# Altium PCB UltraZOhm_CarrierBoard.PcbDoc (part 9 of 12) (continued)
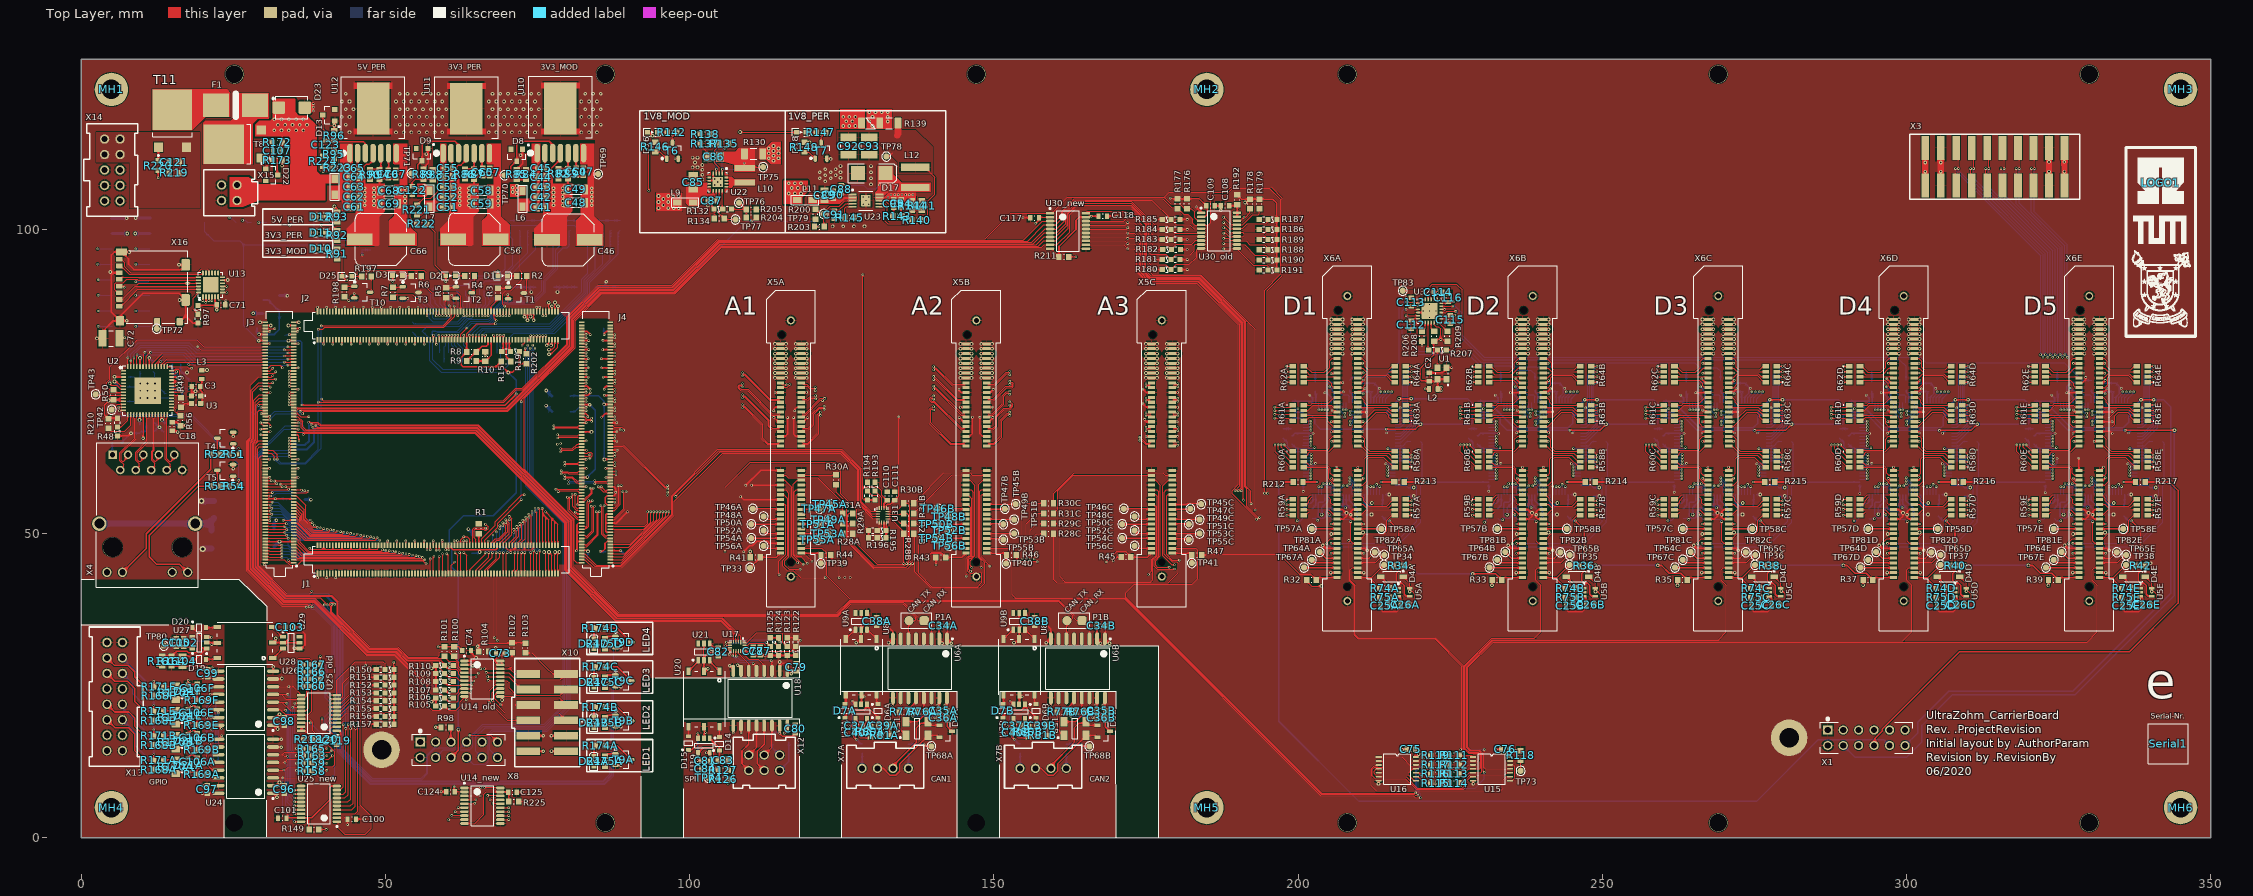
[diagram p0: Top Layer view]
## Nets (pads, with @x,y where several pads share a name; then routed paths per layer and width w, separated by ;. In a path a pad name is that pad's centre, name@x,y a point inside that pad or via, vN(x,y) a via of type N, cw(c..) or ccw(c..) an arc to the next point about the centre after c; other vN are vias at no path point) (continued)
  Top Layer w0.254: D7B.2@151.488,22 151.615,22.127 U8B.4@151.615,23.556
NetD8_3: D8.3 R84.2 R85.2 U10.3 | length 15.9
  Top Layer w0.254: R84.2@73.133,108.228 73.119,108.243 R85.2@71.601,108.243 71.472,108.243 70.635,109.08 70.635,110.38 71.464,111.209 D8.3@71.606,111.209 71.606,113.951 72.135,114.48 76.935,114.48 77.499,113.916 U10.3@77.499,112.549
NetD10_2: D10.2 R91.1 | length 2.6
  Top Layer w0.254: D10.2@40.208,96.83 41.859,95.18 R91.1@42.105,95.18
NetD11_2: D11.2 R92.1 | length 2.4
  Top Layer w0.254: D11.2@40.172,99.454 41.42,98.206 R92.1@42.099,98.206
NetD12_2: D12.2 R93.1 | length 2.2
  Top Layer w0.254: D12.2@40.208,102.063 41.017,101.254 R93.1@42.099,101.254
NetD14_2: D14.2 U20.6 | length 1.7
  Top Layer w0.254: D14.2@104.9,16.586 U20.6@104.9,18.269
NetD15_2: D15.2 U20.4 | length 1.6
  Top Layer w0.254: D15.2@99.82,16.713 U20.4@99.82,18.269
NetD16_1: D16.1 R142.1 | length 1.6
  Top Layer w0.2: D16.1@94.705,115.961 96.28,115.961 R142.1@96.305,115.936
NetD18_1: D18.1 R147.1 | length 1.7
  Top Layer w0.2: D18.1@119.139,115.961 120.765,115.961 R147.1@120.791,115.936
NetD19_2: D19.2 U28.6 | length 1.9
  Top Layer w0.254: D19.2@20.561,29.362 22.18,29.362 U28.6@22.369,29.551
NetD20_2: D20.2 U28.4 | length 1.8
  Top Layer w0.254: D20.2@20.561,34.553 22.291,34.553 U28.4@22.369,34.631
NetD24A_1: D24A.1 R174A.1 | length 1.8
  Top Layer w0.254: D24A.1@84.289,13.425 84.289,14.949 R174A.1@84.505,15.165
NetD24B_1: D24B.1 R174B.1 | length 1.8
  Top Layer w0.254: D24B.1@84.289,19.775 84.289,21.299 R174B.1@84.505,21.515
NetD24C_1: D24C.1 R174C.1 | length 1.8
  Top Layer w0.254: D24C.1@84.289,26.379 84.289,27.903 R174C.1@84.505,28.119
NetD24D_1: D24D.1 R174D.1 | length 1.8
  Top Layer w0.254: D24D.1@84.289,32.729 84.289,34.253 R174D.1@84.505,34.469
NetD25_1: D25.1 R197.2 | length 1.6
  Top Layer w0.2: D25.1@44.5,92.299 R197.2@46.1,92.299
NetF1_1: F1.1 T8.4
NetF1_2: F1.2 T11.4
NetJ1_108: J1.108 R1.1 | length 1.9
  Top Layer w0.254: R1.1@65.359,50.025 65.359,48.134 J1.108@65.372,48.121
NetJ4_88: J4.88 R26.1 | length 2.4
  Top Layer w0.254: J4.88@82.287,66.736 v4(83.886,66.736)
  Bottom Layer w0.254: R26.1@83.13,66.748 83.142,66.736 v4(83.886,66.736)
NetL5A_1: L5A.1 R77A.2 U6A.12 | length 8.5
  Top Layer w0.254: L5A.1@135.567,16.851 134.438,17.98 R77A.2@134.438,20.731 134.438,20.799 135.153,21.514 136.347,21.514 137.219,22.386 U6A.12@137.219,23.02
NetL5A_4: L5A.4 R76A.1 U6A.13 | length 6.7
  Top Layer w0.254: L5A.4@135.567,19.102 137.457,19.102 R76A.1@139.086,20.731 138.489,21.328 U6A.13@138.489,23.02
NetL5B_1: L5B.1 R77B.2 U6B.12 | length 8.5
  Top Layer w0.254: L5B.1@161.519,16.851 160.39,17.98 R77B.2@160.39,20.731 160.39,20.799 161.106,21.514 162.299,21.514 163.172,22.386 U6B.12@163.172,23.02
NetL5B_4: L5B.4 R76B.1 U6B.13 | length 6.7
  Top Layer w0.254: L5B.4@161.519,19.102 163.409,19.102 R76B.1@165.038,20.731 164.442,21.328 U6B.13@164.442,23.02
NetL10_1: L10.1 U22.13 U22.14 U22.15 U22.16 | length 3.2
  Top Layer w0.254: U22.13@106.023,107.032 106.732,107.032 106.8,107.1 ; U22.14@106.023,107.532 106.732,107.532 106.8,107.6 ; U22.15@106.023,108.032 106.768,108.032 106.8,108 ; U22.16@106.023,108.532 106.768,108.532 106.8,108.5
NetR2_2: R2.2 T1.3 | length 3
  Top Layer w0.2: T1.3@72.775,89.55 73.218,89.992 R2.2@73.218,92.367
NetR3_2: R3.2 T1.1 | length 1.7
  Top Layer w0.2: R3.2@68.533,90.369 70.044,90.369 T1.1@70.175,90.5
NetR4_2: R4.2 T2.3 | length 3
  Top Layer w0.2: T2.3@64.206,89.614 64.654,90.062 R4.2@64.654,92.38
NetR5_2: R5.2 T2.1 | length 1.7
  Top Layer w0.2: R5.2@60.02,90.384 61.427,90.384 T2.1@61.606,90.564
NetR6_2: R6.2 T3.3 | length 2.9
  Top Layer w0.2: T3.3@55.456,89.642 55.876,90.062 R6.2@55.876,92.376
NetR7_2: R7.2 T3.1 | length 1.7
  Top Layer w0.2: R7.2@51.254,90.466 52.73,90.466 T3.1@52.856,90.592
NetR28A_1: R28A.1 X5A.54 | length 26
  Top Layer w0.1: X5A.54@118.34,57.2 117.525,57.2 117.22,56.895 117.22,46.575 117.618,46.177 118.313,46.177 v1(119.329,45.161) ; v1(125.12,44.729) 125.12,49.92 R28A.1@125.2,50
  L03_Sig w0.1: v1(119.329,45.161) 120.298,44.193 124.609,44.193 125.12,44.704 v1(125.12,44.729)
NetR28B_1: R28B.1 X5B.54 | length 36
  Top Layer w0.1: R28B.1@136.8,50 137,49.8 137,43.75 139.627,41.123 147.803,41.123 148.539,41.859 148.539,45.274 147.7,46.113 147.7,57 147.9,57.2 X5B.54@148.82,57.2
NetR28C_1: R28C.1 X5C.54 | length 45.1
  Top Layer w0.1: R28C.1@159.8,50 159.8,42.435 160.299,41.935 178.638,41.935 180.315,43.612 180.315,45.11 180.061,45.364 179.299,45.364 178.003,46.66 178.003,56.845 178.359,57.201 X5C.54@179.299,57.201 ; R28C.1@160.2,50.45 160.25,50.45
NetR29A_2: R29A.2 X5A.55 | length 32.4
  Top Layer w0.1: X5A.55@114.94,56.4 115.482,56.4 116.103,55.778 116.103,46.457 115.316,45.669 115.316,44.679 116.053,43.942 117.043,43.942 118.237,42.748 v1(122.276,42.748) ; v1@124.6,42.748 124.6,51.575 124.659,51.634 125.167,51.634 R29A.2@125.2,51.667
  L03_Sig w0.1: v1(122.276,42.748) v1(124.587,42.748)
NetR29B_2: R29B.2 X5B.55 | length 38.5
  Top Layer w0.1: R29B.2@136.8,51.667 137.309,51.667 137.668,51.308 137.668,43.474 139.819,41.323 147.323,41.323 148,42 148,43.5 147.75,43.75 146.789,43.75 146.504,43.465 146.032,43.465 145.672,43.825 145.672,45.904 145.968,46.2 146.165,46.2 146.37,46.405 146.37,55.779 145.97,56.179 145.97,56.2 145.77,56.4 X5B.55@145.42,56.4 ; R29B.2@137.2,52.117 137.25,52.117 ; X5B.55@145.22,56.4 145.22,56.483 145.337,56.6 X5B.55@145.42,56.6
NetR29C_2: R29C.2 X5C.55 | length 40.4
  Top Layer w0.1: R29C.2@159.8,51.667 160.55,51.667 160.884,51.333 160.884,42.926 161.674,42.135 175.81,42.135 176.127,42.452 176.127,45.682 176.863,46.418 176.863,56.134 176.597,56.4 X5C.55@175.9,56.4 ; R29C.2@160.2,52.117 160.25,52.117
NetR30A_1: R30A.1 X5A.48 | length 5.8
  Top Layer w0.1: X5A.48@118.34,59.6 124.027,59.6 R30A.1@124.079,59.652
NetR30B_1: R30B.1 X5B.48 | length 14.3
  Top Layer w0.1: R30B.1@136.8,55 136.8,55.05 137.2,55.45 137.25,55.45 141.8,60 146.082,60 146.482,59.6 X5B.48@148.82,59.6
NetR30C_1: R30C.1 X5C.48 | length 22.7
  Top Layer w0.1: R30C.1@159.8,55 159.8,56.625 163.175,60 177.744,60 178.144,59.6 X5C.48@179.3,59.6
NetR31A_2: R31A.2 X5A.47 | length 13.9
  Top Layer w0.1: X5A.47@114.94,59.6 114.965,59.575 115.825,59.575 116.2,59.2 121.089,59.2 125.2,55.089 R31A.2@125.2,53.333
NetR31B_2: R31B.2 X5B.47 | length 11.3
  Top Layer w0.1: R31B.2@136.8,53.333 136.8,53.383 137.2,53.783 137.25,53.783 143.162,59.695 145.325,59.695 X5B.47@145.42,59.6
NetR31C_2: R31C.2 X5C.47 | length 20.5
  Top Layer w0.1: R31C.2@159.8,53.333 159.8,53.383 160.2,53.783 160.25,53.783 160.477,54.011 160.477,57.02 163.058,59.6 X5C.47@175.9,59.6
NetR48_2: R48.2 U2.15 | length 3.1
  Top Layer w0.15: R48.2@6.001,67.525 6.553,67.525 7.685,68.658 U2.15@7.685,69.565
NetR49_2: R49.2 U3.3 | length 1.9
  Top Layer w0.254: R49.2@16.422,70.759 17.022,71.359 17.935,71.359 U3.3@18.037,71.256
NetR51_2: R51.2 T4.1 | length 2
  Top Layer w0.254: R51.2@24.358,63.044 25.01,63.696 T4.1@25.01,64.761
NetR52_1: R52.1 T4.3 | length 2.9
  Top Layer w0.254: T4.3@22.41,65.711 22.41,63.544 R52.1@22.91,63.044
NetR52_2: R52.2 X4.12 | length 25.4
  Top Layer w0.254: X4.12@6.796,43.657 10.7,47.561 10.7,50 21.31,60.61 R52.2@21.31,63.044
NetR53_1: R53.1 T5.3 | length 2.8
  Top Layer w0.254: T5.3@22.386,60.411 22.386,58.371 R53.1@22.937,57.82
NetR53_2: R53.2 X4.14 | length 24.4
  Top Layer w0.254: X4.14@17.526,43.657 16.182,45 12.4,45 11.2,46.2 11.2,49.7 19.32,57.82 R53.2@21.337,57.82
NetR54_2: R54.2 T5.1 | length 1.9
  Top Layer w0.254: R54.2@24.36,57.82 24.986,58.447 T5.1@24.986,59.461
NetR56_1: R56.1 U2.30 | length 2.3
  Top Layer w0.15: U2.30@14.875,70.755 15.245,70.755 15.52,70.48 15.52,70.08 15.669,69.931 16.226,69.374 R56.1@16.344,69.374
NetR57A_1: R57A.1 U4A.69 | length 14.7
  Top Layer w0.1: R57A.1@217.7,53.048 217.748,53 v2(218.7,53)
  L03_Sig w0.1: v1(214.7,61) 213.9,60.2 213.9,59.2 214.55,58.55 216.45,58.55 216.75,58.25 216.75,53.25 217,53 v2(218.7,53)
  Bottom Layer w0.1: v1(214.7,61) 215.944,61 U4A.69@215.957,60.988
NetR57A_2: R57A.2 U4A.70 | length 13.2
  Top Layer w0.1: R57A.2@217.7,53.948 217.748,53.9 v2(218.7,53.9)
  L03_Sig w0.1: v1(214.7,60.5) 214.6,60.5 214.1,60 214.1,59.3 214.55,58.85 216.8,58.85 217.1,58.55 217.1,54.15 217.35,53.9 v2(218.7,53.9)
  Bottom Layer w0.1: v1(214.7,60.5) 215.944,60.5 U4A.70@215.957,60.488
NetR57A_3: R57A.3 U4A.71 | length 11.8
  Top Layer w0.1: R57A.3@217.7,54.748 217.702,54.75 v2(218.7,54.75)
  L03_Sig w0.1: v1(214.7,60) 214.4,60 214.3,59.9 214.3,59.4 214.55,59.15 217.15,59.15 217.45,58.85 217.45,54.95 217.65,54.75 v2(218.7,54.75)
  Bottom Layer w0.1: v1(214.7,60) 215.944,60 U4A.71@215.957,59.988
NetR57A_4: R57A.4 U4A.72 | length 9.9
  Top Layer w0.1: R57A.4@217.7,55.648 217.948,55.4 v2(218.7,55.4)
  L03_Sig w0.1: v1(214.7,59.5) 217.2,59.5 217.75,58.95 217.75,55.75 218.1,55.4 v2(218.7,55.4)
  Bottom Layer w0.1: v1(214.7,59.5) 215.944,59.5 U4A.72@215.957,59.488
NetR57B_1: R57B.1 U4B.69 | length 14.7
  Top Layer w0.1: R57B.1@248.18,53.048 248.228,53 v2(249.18,53)
  L03_Sig w0.1: v1(245.18,61) 244.38,60.2 244.38,59.2 245.03,58.55 246.93,58.55 247.23,58.25 247.23,53.25 247.48,53 v2(249.18,53)
  Bottom Layer w0.1: v1(245.18,61) 246.424,61 U4B.69@246.437,60.988
NetR57B_2: R57B.2 U4B.70 | length 13.2
  Top Layer w0.1: R57B.2@248.18,53.948 248.228,53.9 v2(249.18,53.9)
  L03_Sig w0.1: v1(245.18,60.5) 245.08,60.5 244.58,60 244.58,59.3 245.03,58.85 247.28,58.85 247.58,58.55 247.58,54.15 247.83,53.9 v2(249.18,53.9)
  Bottom Layer w0.1: v1(245.18,60.5) 246.424,60.5 U4B.70@246.437,60.488
NetR57B_3: R57B.3 U4B.71 | length 11.8
  Top Layer w0.1: R57B.3@248.18,54.748 248.182,54.75 v2(249.18,54.75)
  L03_Sig w0.1: v1(245.18,60) 244.88,60 244.78,59.9 244.78,59.4 245.03,59.15 247.63,59.15 247.93,58.85 247.93,54.95 248.13,54.75 v2(249.18,54.75)
  Bottom Layer w0.1: v1(245.18,60) 246.424,60 U4B.71@246.437,59.988
NetR57B_4: R57B.4 U4B.72 | length 9.9
  Top Layer w0.1: R57B.4@248.18,55.648 248.428,55.4 v2(249.18,55.4)
  L03_Sig w0.1: v1(245.18,59.5) 247.68,59.5 248.23,58.95 248.23,55.75 248.58,55.4 v2(249.18,55.4)
  Bottom Layer w0.1: v1(245.18,59.5) 246.424,59.5 U4B.72@246.437,59.488
NetR57C_1: R57C.1 U4C.69 | length 14.7
  Top Layer w0.1: R57C.1@278.66,53.048 278.708,53 v2(279.66,53)
  L03_Sig w0.1: v1(275.66,61) 274.86,60.2 274.86,59.2 275.51,58.55 277.41,58.55 277.71,58.25 277.71,53.25 277.96,53 v2(279.66,53)
  Bottom Layer w0.1: v1(275.66,61) 276.904,61 U4C.69@276.917,60.988
NetR57C_2: R57C.2 U4C.70 | length 13.2
  Top Layer w0.1: R57C.2@278.66,53.948 278.708,53.9 v2(279.66,53.9)
  L03_Sig w0.1: v1(275.66,60.5) 275.56,60.5 275.06,60 275.06,59.3 275.51,58.85 277.76,58.85 278.06,58.55 278.06,54.15 278.31,53.9 v2(279.66,53.9)
  Bottom Layer w0.1: v1(275.66,60.5) 276.904,60.5 U4C.70@276.917,60.488
NetR57C_3: R57C.3 U4C.71 | length 11.8
  Top Layer w0.1: R57C.3@278.66,54.748 278.662,54.75 v2(279.66,54.75)
  L03_Sig w0.1: v1(275.66,60) 275.36,60 275.26,59.9 275.26,59.4 275.51,59.15 278.11,59.15 278.41,58.85 278.41,54.95 278.61,54.75 v2(279.66,54.75)
  Bottom Layer w0.1: v1(275.66,60) 276.904,60 U4C.71@276.917,59.988
NetR57C_4: R57C.4 U4C.72 | length 9.9
  Top Layer w0.1: R57C.4@278.66,55.648 278.908,55.4 v2(279.66,55.4)
  L03_Sig w0.1: v1(275.66,59.5) 278.16,59.5 278.71,58.95 278.71,55.75 279.06,55.4 v2(279.66,55.4)
  Bottom Layer w0.1: v1(275.66,59.5) 276.904,59.5 U4C.72@276.917,59.488
NetR57D_1: R57D.1 U4D.69 | length 14.7
  Top Layer w0.1: R57D.1@309.14,53.048 309.188,53 v2(310.14,53)
  L03_Sig w0.1: v1(306.14,61) 305.34,60.2 305.34,59.2 305.99,58.55 307.89,58.55 308.19,58.25 308.19,53.25 308.44,53 v2(310.14,53)
  Bottom Layer w0.1: v1(306.14,61) 307.384,61 U4D.69@307.397,60.988
NetR57D_2: R57D.2 U4D.70 | length 13.2
  Top Layer w0.1: R57D.2@309.14,53.948 309.188,53.9 v2(310.14,53.9)
  L03_Sig w0.1: v1(306.14,60.5) 306.04,60.5 305.54,60 305.54,59.3 305.99,58.85 308.24,58.85 308.54,58.55 308.54,54.15 308.79,53.9 v2(310.14,53.9)
  Bottom Layer w0.1: v1(306.14,60.5) 307.384,60.5 U4D.70@307.397,60.488
NetR57D_3: R57D.3 U4D.71 | length 11.8
  Top Layer w0.1: R57D.3@309.14,54.748 309.142,54.75 v2(310.14,54.75)
  L03_Sig w0.1: v1(306.14,60) 305.84,60 305.74,59.9 305.74,59.4 305.99,59.15 308.59,59.15 308.89,58.85 308.89,54.95 309.09,54.75 v2(310.14,54.75)
  Bottom Layer w0.1: v1(306.14,60) 307.384,60 U4D.71@307.397,59.988
NetR57D_4: R57D.4 U4D.72 | length 9.9
  Top Layer w0.1: R57D.4@309.14,55.648 309.388,55.4 v2(310.14,55.4)
  L03_Sig w0.1: v1(306.14,59.5) 308.64,59.5 309.19,58.95 309.19,55.75 309.54,55.4 v2(310.14,55.4)
  Bottom Layer w0.1: v1(306.14,59.5) 307.384,59.5 U4D.72@307.397,59.488
NetR57E_1: R57E.1 U4E.69 | length 14.7
  Top Layer w0.1: R57E.1@339.62,53.048 339.668,53 v2(340.62,53)
  L03_Sig w0.1: v1(336.62,61) 335.82,60.2 335.82,59.2 336.47,58.55 338.37,58.55 338.67,58.25 338.67,53.25 338.92,53 v2(340.62,53)
  Bottom Layer w0.1: v1(336.62,61) 337.864,61 U4E.69@337.877,60.988
NetR57E_2: R57E.2 U4E.70 | length 13.2
  Top Layer w0.1: R57E.2@339.62,53.948 339.668,53.9 v2(340.62,53.9)
  L03_Sig w0.1: v1(336.62,60.5) 336.52,60.5 336.02,60 336.02,59.3 336.47,58.85 338.72,58.85 339.02,58.55 339.02,54.15 339.27,53.9 v2(340.62,53.9)
  Bottom Layer w0.1: v1(336.62,60.5) 337.864,60.5 U4E.70@337.877,60.488
NetR57E_3: R57E.3 U4E.71 | length 11.8
  Top Layer w0.1: R57E.3@339.62,54.748 339.622,54.75 v2(340.62,54.75)
  L03_Sig w0.1: v1(336.62,60) 336.32,60 336.22,59.9 336.22,59.4 336.47,59.15 339.07,59.15 339.37,58.85 339.37,54.95 339.57,54.75 v2(340.62,54.75)
  Bottom Layer w0.1: v1(336.62,60) 337.864,60 U4E.71@337.877,59.988
NetR57E_4: R57E.4 U4E.72 | length 9.9
  Top Layer w0.1: R57E.4@339.62,55.648 339.868,55.4 v2(340.62,55.4)
  L03_Sig w0.1: v1(336.62,59.5) 339.12,59.5 339.67,58.95 339.67,55.75 340.02,55.4 v2(340.62,55.4)
  Bottom Layer w0.1: v1(336.62,59.5) 337.864,59.5 U4E.72@337.877,59.488
NetR58A_1: R58A.1 U4A.67 | length 4.2
  Top Layer w0.1: R58A.1@217.7,60.922 217.778,61 v2(218.65,61)
  Bottom Layer w0.1: U4A.67@215.957,61.988 217.812,61.988 218.65,61.15 v2(218.65,61)
NetR58A_2: R58A.2 U4A.66 | length 4
  Top Layer w0.1: R58A.2@217.7,61.822 217.722,61.8 v2(218.7,61.8)
  Bottom Layer w0.1: U4A.66@215.957,62.488 216.962,62.488 217.2,62.25 218.2,62.25 218.65,61.8 v2(218.7,61.8)
NetR58A_3: R58A.3 U4A.65 | length 4.3
  Top Layer w0.1: R58A.3@217.822,62.5 R58A.3@217.7,62.622 218.478,62.622 v2(218.7,62.4)
  Bottom Layer w0.1: U4A.65@215.957,62.988 216.912,62.988 217.4,62.5 218.6,62.5 v2(218.7,62.4)
NetR58A_4: R58A.4 U4A.64 | length 4.3
  Top Layer w0.1: R58A.4@217.7,63.522 218.078,63.522 v2(218.7,62.9)
  Bottom Layer w0.1: U4A.64@215.957,63.488 216.912,63.488 217.6,62.8 218.6,62.8 v2(218.7,62.9)
NetR58B_1: R58B.1 U4B.67 | length 4.2
  Top Layer w0.1: R58B.1@248.18,60.922 248.258,61 v2(249.13,61)
  Bottom Layer w0.1: U4B.67@246.437,61.988 248.292,61.988 249.13,61.15 v2(249.13,61)
NetR58B_2: R58B.2 U4B.66 | length 4
  Top Layer w0.1: R58B.2@248.18,61.822 248.202,61.8 v2(249.18,61.8)
  Bottom Layer w0.1: U4B.66@246.437,62.488 247.442,62.488 247.68,62.25 248.68,62.25 249.13,61.8 v2(249.18,61.8)
NetR58B_3: R58B.3 U4B.65 | length 4.3
  Top Layer w0.1: R58B.3@248.302,62.5 R58B.3@248.18,62.622 248.958,62.622 v2(249.18,62.4)
  Bottom Layer w0.1: U4B.65@246.437,62.988 247.392,62.988 247.88,62.5 249.08,62.5 v2(249.18,62.4)
NetR58B_4: R58B.4 U4B.64 | length 4.3
  Top Layer w0.1: R58B.4@248.18,63.522 248.558,63.522 v2(249.18,62.9)
  Bottom Layer w0.1: U4B.64@246.437,63.488 247.392,63.488 248.08,62.8 249.08,62.8 v2(249.18,62.9)
NetR58C_1: R58C.1 U4C.67 | length 4.2
  Top Layer w0.1: R58C.1@278.66,60.922 278.738,61 v2(279.61,61)
  Bottom Layer w0.1: U4C.67@276.917,61.988 278.772,61.988 279.61,61.15 v2(279.61,61)
NetR58C_2: R58C.2 U4C.66 | length 4
  Top Layer w0.1: R58C.2@278.66,61.822 278.682,61.8 v2(279.66,61.8)
  Bottom Layer w0.1: U4C.66@276.917,62.488 277.922,62.488 278.16,62.25 279.16,62.25 279.61,61.8 v2(279.66,61.8)
NetR58C_3: R58C.3 U4C.65 | length 4.3
  Top Layer w0.1: R58C.3@278.782,62.5 R58C.3@278.66,62.622 279.438,62.622 v2(279.66,62.4)
  Bottom Layer w0.1: U4C.65@276.917,62.988 277.872,62.988 278.36,62.5 279.56,62.5 v2(279.66,62.4)
NetR58C_4: R58C.4 U4C.64 | length 4.3
  Top Layer w0.1: R58C.4@278.66,63.522 279.038,63.522 v2(279.66,62.9)
  Bottom Layer w0.1: U4C.64@276.917,63.488 277.872,63.488 278.56,62.8 279.56,62.8 v2(279.66,62.9)
NetR58D_1: R58D.1 U4D.67 | length 4.2
  Top Layer w0.1: R58D.1@309.14,60.922 309.218,61 v2(310.09,61)
  Bottom Layer w0.1: U4D.67@307.397,61.988 309.252,61.988 310.09,61.15 v2(310.09,61)
NetR58D_2: R58D.2 U4D.66 | length 4
  Top Layer w0.1: R58D.2@309.14,61.822 309.162,61.8 v2(310.14,61.8)
  Bottom Layer w0.1: U4D.66@307.397,62.488 308.402,62.488 308.64,62.25 309.64,62.25 310.09,61.8 v2(310.14,61.8)
NetR58D_3: R58D.3 U4D.65 | length 4.3
  Top Layer w0.1: R58D.3@309.262,62.5 R58D.3@309.14,62.622 309.918,62.622 v2(310.14,62.4)
  Bottom Layer w0.1: U4D.65@307.397,62.988 308.352,62.988 308.84,62.5 310.04,62.5 v2(310.14,62.4)
NetR58D_4: R58D.4 U4D.64 | length 4.3
  Top Layer w0.1: R58D.4@309.14,63.522 309.518,63.522 v2(310.14,62.9)
  Bottom Layer w0.1: U4D.64@307.397,63.488 308.352,63.488 309.04,62.8 310.04,62.8 v2(310.14,62.9)
NetR58E_1: R58E.1 U4E.67 | length 4.2
  Top Layer w0.1: R58E.1@339.62,60.922 339.698,61 v2(340.57,61)
  Bottom Layer w0.1: U4E.67@337.877,61.988 339.732,61.988 340.57,61.15 v2(340.57,61)
NetR58E_2: R58E.2 U4E.66 | length 4
  Top Layer w0.1: R58E.2@339.62,61.822 339.642,61.8 v2(340.62,61.8)
  Bottom Layer w0.1: U4E.66@337.877,62.488 338.882,62.488 339.12,62.25 340.12,62.25 340.57,61.8 v2(340.62,61.8)
NetR58E_3: R58E.3 U4E.65 | length 4.3
  Top Layer w0.1: R58E.3@339.742,62.5 R58E.3@339.62,62.622 340.398,62.622 v2(340.62,62.4)
  Bottom Layer w0.1: U4E.65@337.877,62.988 338.832,62.988 339.32,62.5 340.52,62.5 v2(340.62,62.4)
NetR58E_4: R58E.4 U4E.64 | length 4.3
  Top Layer w0.1: R58E.4@339.62,63.522 339.998,63.522 v2(340.62,62.9)
  Bottom Layer w0.1: U4E.64@337.877,63.488 338.832,63.488 339.52,62.8 340.52,62.8 v2(340.62,62.9)
NetR59A_1: R59A.1 U4A.81 | length 17.6
  Top Layer w0.1: v2(197.9,55.35) 198.198,55.648 R59A.1@199.1,55.648
  L03_Sig w0.1: v2(197.9,55.35) 198.55,56 210.15,56 v1(211.9,57.75)
  Bottom Layer w0.1: v1(211.9,57.75) 211.907,57.743 U4A.81@211.907,56.438
NetR59A_2: R59A.2 U4A.80 | length 17.8
  Top Layer w0.1: v2(198.15,54.75) 199.098,54.75 R59A.2@199.1,54.748
  L03_Sig w0.1: v2(198.15,54.75) 199.15,55.75 210.45,55.75 v1(212.45,57.75)
  Bottom Layer w0.1: U4A.80@212.407,56.438 212.407,57.707 v1(212.45,57.75)
NetR59A_3: R59A.3 U4A.79 | length 19.3
  Top Layer w0.1: v2(198.15,54) 199.048,54 R59A.3@199.1,53.948
  L03_Sig w0.1: v2(198.15,54) 199.6,55.45 210.7,55.45 212.9,57.65 v1(212.9,58.1)
  Bottom Layer w0.1: v1(212.9,58.1) 212.907,58.093 U4A.79@212.907,56.438
NetR59A_4: R59A.4 U4A.78 | length 19.6
  Top Layer w0.1: v2(198.15,53.05) 199.098,53.05 R59A.4@199.1,53.048
  L03_Sig w0.1: v2(198.15,53.05) 200.25,55.15 211,55.15 213.4,57.55 v1(213.4,57.75)
  Bottom Layer w0.1: v1(213.4,57.75) 213.407,57.743 U4A.78@213.407,56.438
NetR59B_1: R59B.1 U4B.81 | length 17.6
  Top Layer w0.1: v2(228.38,55.35) 228.678,55.648 R59B.1@229.58,55.648
  L03_Sig w0.1: v2(228.38,55.35) 229.03,56 240.63,56 v1(242.38,57.75)
  Bottom Layer w0.1: v1(242.38,57.75) 242.387,57.743 U4B.81@242.387,56.438
NetR59B_2: R59B.2 U4B.80 | length 17.8
  Top Layer w0.1: v2(228.63,54.75) 229.578,54.75 R59B.2@229.58,54.748
  L03_Sig w0.1: v2(228.63,54.75) 229.63,55.75 240.93,55.75 v1(242.93,57.75)
  Bottom Layer w0.1: U4B.80@242.887,56.438 242.887,57.707 v1(242.93,57.75)
NetR59B_3: R59B.3 U4B.79 | length 19.3
  Top Layer w0.1: v2(228.63,54) 229.528,54 R59B.3@229.58,53.948
  L03_Sig w0.1: v2(228.63,54) 230.08,55.45 241.18,55.45 243.38,57.65 v1(243.38,58.1)
  Bottom Layer w0.1: v1(243.38,58.1) 243.387,58.093 U4B.79@243.387,56.438
NetR59B_4: R59B.4 U4B.78 | length 19.6
  Top Layer w0.1: v2(228.63,53.05) 229.578,53.05 R59B.4@229.58,53.048
  L03_Sig w0.1: v2(228.63,53.05) 230.73,55.15 241.48,55.15 243.88,57.55 v1(243.88,57.75)
  Bottom Layer w0.1: v1(243.88,57.75) 243.887,57.743 U4B.78@243.887,56.438
NetR59C_1: R59C.1 U4C.81 | length 17.6
  Top Layer w0.1: v2(258.86,55.35) 259.158,55.648 R59C.1@260.06,55.648
  L03_Sig w0.1: v2(258.86,55.35) 259.51,56 271.11,56 v1(272.86,57.75)
  Bottom Layer w0.1: v1(272.86,57.75) 272.867,57.743 U4C.81@272.867,56.438
NetR59C_2: R59C.2 U4C.80 | length 17.8
  Top Layer w0.1: v2(259.11,54.75) 260.058,54.75 R59C.2@260.06,54.748
  L03_Sig w0.1: v2(259.11,54.75) 260.11,55.75 271.41,55.75 v1(273.41,57.75)
  Bottom Layer w0.1: U4C.80@273.367,56.438 273.367,57.707 v1(273.41,57.75)
NetR59C_3: R59C.3 U4C.79 | length 19.3
  Top Layer w0.1: v2(259.11,54) 260.008,54 R59C.3@260.06,53.948
  L03_Sig w0.1: v2(259.11,54) 260.56,55.45 271.66,55.45 273.86,57.65 v1(273.86,58.1)
  Bottom Layer w0.1: v1(273.86,58.1) 273.867,58.093 U4C.79@273.867,56.438
NetR59C_4: R59C.4 U4C.78 | length 19.6
  Top Layer w0.1: v2(259.11,53.05) 260.058,53.05 R59C.4@260.06,53.048
  L03_Sig w0.1: v2(259.11,53.05) 261.21,55.15 271.96,55.15 274.36,57.55 v1(274.36,57.75)
  Bottom Layer w0.1: v1(274.36,57.75) 274.367,57.743 U4C.78@274.367,56.438
NetR59D_1: R59D.1 U4D.81 | length 17.6
  Top Layer w0.1: v2(289.34,55.35) 289.638,55.648 R59D.1@290.54,55.648
  L03_Sig w0.1: v2(289.34,55.35) 289.99,56 301.59,56 v1(303.34,57.75)
  Bottom Layer w0.1: v1(303.34,57.75) 303.347,57.743 U4D.81@303.347,56.438
NetR59D_2: R59D.2 U4D.80 | length 17.8
  Top Layer w0.1: v2(289.59,54.75) 290.538,54.75 R59D.2@290.54,54.748
  L03_Sig w0.1: v2(289.59,54.75) 290.59,55.75 301.89,55.75 v1(303.89,57.75)
  Bottom Layer w0.1: U4D.80@303.847,56.438 303.847,57.707 v1(303.89,57.75)
NetR59D_3: R59D.3 U4D.79 | length 19.3
  Top Layer w0.1: v2(289.59,54) 290.488,54 R59D.3@290.54,53.948
  L03_Sig w0.1: v2(289.59,54) 291.04,55.45 302.14,55.45 304.34,57.65 v1(304.34,58.1)
  Bottom Layer w0.1: v1(304.34,58.1) 304.347,58.093 U4D.79@304.347,56.438
NetR59D_4: R59D.4 U4D.78 | length 19.6
  Top Layer w0.1: v2(289.59,53.05) 290.538,53.05 R59D.4@290.54,53.048
  L03_Sig w0.1: v2(289.59,53.05) 291.69,55.15 302.44,55.15 304.84,57.55 v1(304.84,57.75)
  Bottom Layer w0.1: v1(304.84,57.75) 304.847,57.743 U4D.78@304.847,56.438
NetR59E_1: R59E.1 U4E.81 | length 17.6
  Top Layer w0.1: v2(319.82,55.35) 320.118,55.648 R59E.1@321.02,55.648
  L03_Sig w0.1: v2(319.82,55.35) 320.47,56 332.07,56 v1(333.82,57.75)
  Bottom Layer w0.1: v1(333.82,57.75) 333.827,57.743 U4E.81@333.827,56.438
NetR59E_2: R59E.2 U4E.80 | length 17.8
  Top Layer w0.1: v2(320.07,54.75) 321.018,54.75 R59E.2@321.02,54.748
  L03_Sig w0.1: v2(320.07,54.75) 321.07,55.75 332.37,55.75 v1(334.37,57.75)
  Bottom Layer w0.1: U4E.80@334.327,56.438 334.327,57.707 v1(334.37,57.75)
NetR59E_3: R59E.3 U4E.79 | length 19.3
  Top Layer w0.1: v2(320.07,54) 320.968,54 R59E.3@321.02,53.948
  L03_Sig w0.1: v2(320.07,54) 321.52,55.45 332.62,55.45 334.82,57.65 v1(334.82,58.1)
  Bottom Layer w0.1: v1(334.82,58.1) 334.827,58.093 U4E.79@334.827,56.438
NetR59E_4: R59E.4 U4E.78 | length 19.6
  Top Layer w0.1: v2(320.07,53.05) 321.018,53.05 R59E.4@321.02,53.048
  L03_Sig w0.1: v2(320.07,53.05) 322.17,55.15 332.92,55.15 335.32,57.55 v1(335.32,57.75)
  Bottom Layer w0.1: v1(335.32,57.75) 335.327,57.743 U4E.78@335.327,56.438
NetR60A_1: R60A.1 U4A.84 | length 21.6
  Top Layer w0.1: v1(197.7,64.6) 197.7,64.5 198.678,63.522 R60A.1@199.1,63.522
  L03_Sig w0.1: v1(197.7,64.6) 197.7,64.5 197.4,64.2 197.4,62.683 202.783,57.3 205.2,57.3 206.9,59 208.3,59 v2(208.5,59.2)
  Bottom Layer w0.1: v2(208.5,59.2) 210.407,57.293 U4A.84@210.407,56.438
NetR60A_2: R60A.2 U4A.85 | length 22.2
  Top Layer w0.1: v1(197.2,64.6) 197.2,64.2 198.778,62.622 R60A.2@199.1,62.622
  L03_Sig w0.1: v1(197.2,64.6) 197.2,62.6 202.7,57.1 205.283,57.1 206.983,58.8 208.4,58.8 v2(208.5,58.7)
  Bottom Layer w0.1: v2(208.5,58.7) 208.6,58.7 209.05,58.25 209.907,57.393 U4A.85@209.907,56.438
NetR60A_3: R60A.3 U4A.86 | length 23
  Top Layer w0.1: v1(196.7,64.6) 196.7,63.9 198.778,61.822 R60A.3@199.1,61.822
  L03_Sig w0.1: v1(196.7,64.6) 197,64.3 197,62.517 202.617,56.9 205.366,56.9 207.066,58.6 208.1,58.6 v2(208.5,58.2)
  Bottom Layer w0.1: v2@208.55,58.25 209.407,57.393 U4A.86@209.407,56.438
NetR60A_4: R60A.4 U4A.87 | length 24
  Top Layer w0.1: v1(196.2,64.6) 196.2,63.5 198.778,60.922 R60A.4@199.1,60.922
  L03_Sig w0.1: v1(196.2,64.6) 196.2,64.5 196.8,63.9 196.8,62.434 202.534,56.7 205.449,56.7 207.149,58.4 207.5,58.4 v2(208.05,57.85)
  Bottom Layer w0.1: v2(208.05,57.85) 208.45,57.85 208.907,57.393 U4A.87@208.907,56.438
NetR60B_1: R60B.1 U4B.84 | length 21.6
  Top Layer w0.1: v1(228.18,64.6) 228.18,64.5 229.158,63.522 R60B.1@229.58,63.522
  L03_Sig w0.1: v1(228.18,64.6) 228.18,64.5 227.88,64.2 227.88,62.683 233.263,57.3 235.68,57.3 237.38,59 238.78,59 v2(238.98,59.2)
  Bottom Layer w0.1: v2(238.98,59.2) 240.887,57.293 U4B.84@240.887,56.438
NetR60B_2: R60B.2 U4B.85 | length 22.2
  Top Layer w0.1: v1(227.68,64.6) 227.68,64.2 229.258,62.622 R60B.2@229.58,62.622
  L03_Sig w0.1: v1(227.68,64.6) 227.68,62.6 233.18,57.1 235.763,57.1 237.463,58.8 238.88,58.8 v2(238.98,58.7)
  Bottom Layer w0.1: v2(238.98,58.7) 239.08,58.7 239.53,58.25 240.387,57.393 U4B.85@240.387,56.438
NetR60B_3: R60B.3 U4B.86 | length 23
  Top Layer w0.1: v1(227.18,64.6) 227.18,63.9 229.258,61.822 R60B.3@229.58,61.822
  L03_Sig w0.1: v1(227.18,64.6) 227.48,64.3 227.48,62.517 233.097,56.9 235.846,56.9 237.546,58.6 238.58,58.6 v2(238.98,58.2)
  Bottom Layer w0.1: v2@239.03,58.25 239.887,57.393 U4B.86@239.887,56.438
NetR60B_4: R60B.4 U4B.87 | length 24
  Top Layer w0.1: v1(226.68,64.6) 226.68,63.5 229.258,60.922 R60B.4@229.58,60.922
  L03_Sig w0.1: v1(226.68,64.6) 226.68,64.5 227.28,63.9 227.28,62.434 233.014,56.7 235.929,56.7 237.629,58.4 237.98,58.4 v2(238.53,57.85)
  Bottom Layer w0.1: v2(238.53,57.85) 238.93,57.85 239.387,57.393 U4B.87@239.387,56.438
NetR60C_1: R60C.1 U4C.84 | length 21.4
  Top Layer w0.1: v1(258.66,64.6) 258.66,64.5 259.638,63.522 R60C.1@260.06,63.522
  L03_Sig w0.1: v1(258.66,64.6) 258.66,62.383 263.743,57.3 266.16,57.3 267.86,59 269.26,59 v2(269.46,59.2)
  Bottom Layer w0.1: v2(269.46,59.2) 271.367,57.293 U4C.84@271.367,56.438
NetR60C_2: R60C.2 U4C.85 | length 22.2
  Top Layer w0.1: v1(258.16,64.6) 258.16,64.2 259.738,62.622 R60C.2@260.06,62.622
  L03_Sig w0.1: v1(258.16,64.6) 258.16,62.6 263.66,57.1 266.243,57.1 267.943,58.8 269.36,58.8 v2(269.46,58.7)
  Bottom Layer w0.1: v2(269.46,58.7) 269.56,58.7 270.01,58.25 270.867,57.393 U4C.85@270.867,56.438
NetR60C_3: R60C.3 U4C.86 | length 23
  Top Layer w0.1: v1(257.66,64.6) 257.66,63.9 259.738,61.822 R60C.3@260.06,61.822
  L03_Sig w0.1: v1(257.66,64.6) 257.66,62.817 263.577,56.9 266.326,56.9 268.026,58.6 269.06,58.6 v2(269.46,58.2)
  Bottom Layer w0.1: v2@269.51,58.25 270.367,57.393 U4C.86@270.367,56.438